# Altium PCB PokeyMain.PcbDoc (part 2 of 3)
Units mm, origin at the board's own origin, x right, y up, seen from the top; angles counter-clockwise.
Board outline 172.97 x 113.16 mm, 2 copper layers (Top Layer, Bottom Layer); 153 components, 194 nets, 688 pads, 309 vias.
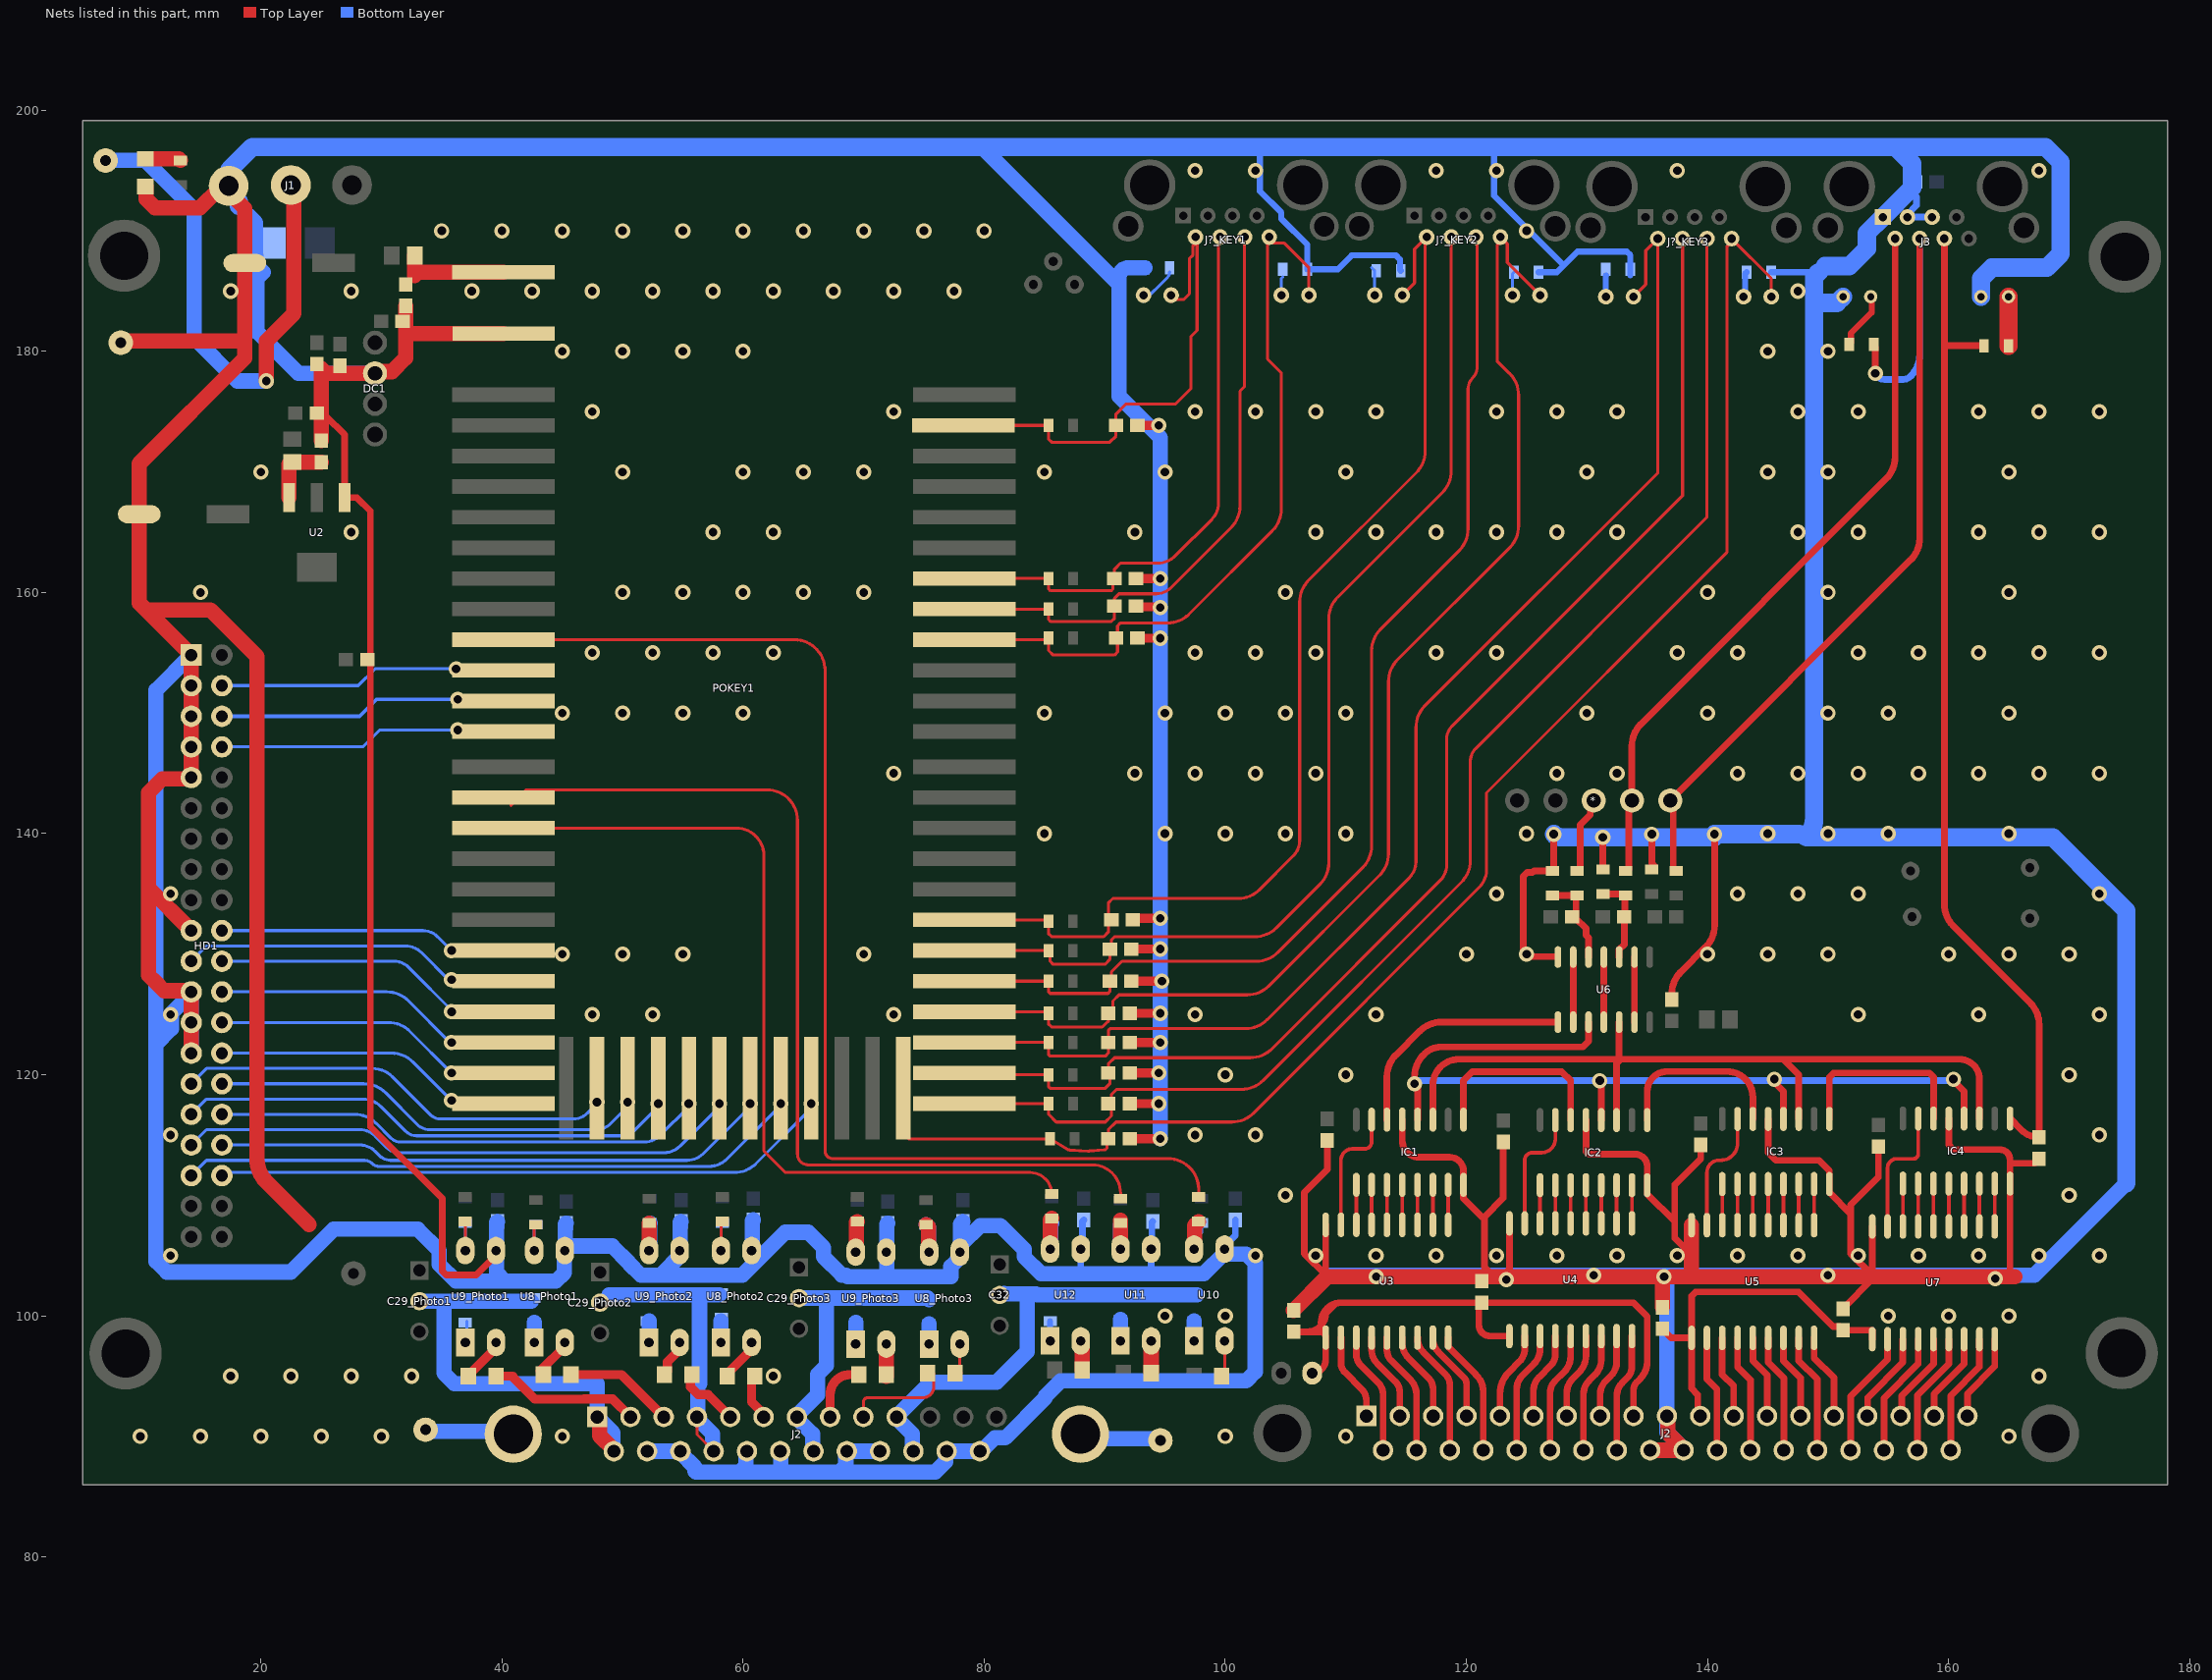
[diagram p2: the nets of this part, all layers, seen from the top]

## Via types
v1: diameter 1.27, hole 0.711, Top Layer to Bottom Layer, tented both sides, 309 vias

## Nets (pads, with @x,y where several pads share a name; then routed paths per layer and width w, separated by ;. In a path a pad name is that pad's centre, name@x,y a point inside that pad or via, vN(x,y) a via of type N, cw(c..) or ccw(c..) an arc to the next point about the centre after c; other vN are vias at no path point) (continued)
GND: C1.1 C2.1 C3.2 C4.1 C5.2 C6.1 C8.1 C9.1 C10.1 C14.1 C15.2 C16.1 C19.2 C20.1 C21.1 C22.1 C23.1 C24.1 C25_KEY1.1 C25_KEY2.1 C25_KEY3.1 C26_KEY1.1 C26_KEY2.1 C26_KEY3.1 C27_KEY1.1 C27_KEY2.1 C27_KEY3.1 C28_KEY1.1 C28_KEY2.1 C28_KEY3.1 C30_Photo1.1 C30_Photo2.1 C30_Photo3.1 C31_Photo1.1 C31_Photo2.1 C31_Photo3.1 C33.1 C34.1 C35.1 C170.1 C180.2 D1.1 DC1.2 HD1.1 HD1.3 HD1.5 HD1.7 HD1.9 HD1.19 HD1.23 HD1.25 HD1.27 IC1.8 IC1.13 IC2.8 IC2.13 IC3.8 IC3.13 IC4.8 IC4.13 J1.3 J2.10@136.635,91.694 J2.15@52.037,88.773 J2.16@54.798,88.773 J2.18@60.32,88.773 J2.19@63.081,88.773 J2.21@68.603,88.773 J2.22@71.364,88.773 J2.24@76.886,88.773 J2.25@79.647,88.773 J2.28 J2.29 J3.1 J3.3 J3.5 J3.L1- J3.L2- LED1.2 POKEY1.1 R5.2 R6.2 R7.2 R23_KEY1.2 R23_KEY2.2 R23_KEY3.2 R27_KEY1.1 R27_KEY2.1 R27_KEY3.1 TP0V.1 U2.1 U3.9 U4.9 U5.9 U6.7 U7.9 U8_Photo1.3 U8_Photo2.3 U8_Photo3.3 U9_Photo1.3 U9_Photo2.3 U9_Photo3.3 U10.3 U11.3 U12.3 | length 1376.7
  Top Layer w0.559: C8.1@25.019,174.625 25.4,174.625 26.938,173.087 U2.1@26.938,167.873 27.961,167.873 29.083,166.751 29.083,115.697 35.052,109.728 35.052,103.705 35.379,103.378 37.846,103.378 39.497,105.029 U9_Photo1.3@39.497,105.41 ; U3.9@108.331,107.545 108.331,103.378 ; 108.458,103.251 108.331,103.378 ; C21.1@108.458,114.554 108.458,112.141 106.553,110.236 106.553,105.156 108.331,103.378 ; IC1.13@114.681,116.271 114.681,114.554 ccw(c116.078,114.554) 116.078,113.157 118.618,113.157 cw(c118.618,112.014) 119.761,112.014 IC1.8@119.761,110.871 119.761,109.738 121.295,108.204 121.504,108.204 ; v1@122.936,103.251 123.571,103.886 U4.9@123.571,107.672 ; C22.1@123.063,114.427 123.063,109.763 121.504,108.204 ; v1(123.317,102.997) 123.215,103.099 122.453,103.099 121.504,104.048 121.504,108.204 ; v1@127.254,139.827 127.254,137.033 R7.2@127.127,136.906 125.603,136.906 125.476,136.779 125.041,136.779 124.714,136.452 124.714,130.429 125.349,129.794 127.591,129.794 127.595,129.79 U6.7@127.595,129.761 ; IC2.13@129.921,116.238 129.921,113.738 ccw(c130.248,113.738) 130.248,113.411 133.985,113.411 cw(c133.985,112.395) 135.001,112.395 IC2.8@135.001,110.838 135.001,110.122 137.287,107.836 ; R6.2@131.318,137.033 v1@131.318,139.446 ; R5.2@135.382,137.033 135.636,137.287 135.382,137.541 v1(135.382,139.954) ; C23.1@137.033,126.238 137.033,126.71 cw(c139.573,126.71) 137.777,128.506 139.845,130.574 ccw(c138.049,132.37) 140.589,132.37 v1@140.589,139.7 ; 138.684,105.029 137.287,106.426 137.287,107.836 ; C20.1@139.446,114.173 139.446,113.03 137.287,110.871 137.287,107.836 ; IC3.13@145.034,116.332 145.034,113.538 145.669,112.903 149.225,112.903 150.114,112.014 IC3.8@150.114,110.932 150.114,110.216 151.892,108.438 ; C16.1@151.257,100.584 151.257,100.634 153.67,103.047 153.67,103.251 153.67,103.378 ; U7.9@153.67,107.418 153.67,103.378 ; C24.1@154.178,114.046 154.178,111.506 151.892,109.22 151.892,108.438 ; IC4.13@160.02,116.365 160.02,114.173 160.401,113.792 164.265,113.792 cw(c164.265,112.957) 165.1,112.957 165.1,112.649 ; 165.481,103.251 165.1,103.632 IC4.8@165.1,110.965 165.1,112.649 ; C14.1@167.513,113.03 167.513,112.98 167.242,112.709 167.192,112.709 167.132,112.649 165.1,112.649 ; 151.892,108.438 151.892,105.156 153.67,103.378
  Top Layer w0.762: C28_KEY3.1@92.075,114.681 v1(94.615,114.681) ; C27_KEY3.1@92.075,117.602 v1(94.488,117.602) ; C26_KEY3.1@92.075,120.142 v1(94.488,120.142) ; C25_KEY3.1@92.075,122.682 v1(94.615,122.682) ; C28_KEY2.1@92.075,125.095 v1(94.615,125.095) ; C27_KEY2.1@92.202,127.762 v1(94.742,127.762) ; C26_KEY2.1@92.202,130.429 v1(94.615,130.429) ; C25_KEY2.1@92.329,132.842 92.456,132.969 v1(94.615,132.969) ; C27_KEY1.1@92.583,158.877 92.647,158.814 94.551,158.814 v1(94.615,158.75) ; C26_KEY1.1@92.583,161.163 v1(94.615,161.163) ; C28_KEY1.1@92.71,156.21 v1(94.615,156.21) ; C25_KEY1.1@92.71,173.863 v1(94.488,173.863)
  Top Layer w1.27: TP0V.1@8.382,180.721 8.509,180.848 18.669,180.848 ; LED1.2@10.414,193.675 10.477,193.675 10.477,192.641 11.221,191.897 14.944,191.897 16.595,193.548 17.145,193.548 J1.3@17.332,193.735 17.332,193.186 18.669,191.849 C3.2@18.669,187.325 18.669,180.848 ; HD1.27@14.224,121.793 HD1.25@14.224,124.333 HD1.23@14.224,126.873 14.127,126.97 11.968,126.97 11.304,127.634 10.668,128.27 10.668,135.509 ; HD1.19@14.224,131.953 10.668,135.509 ; 24.003,107.569 20.429,111.143 cw(c22.225,112.939) 19.685,112.939 19.685,154.686 15.811,158.56 10.478,158.56 ; C10.1@25.019,172.593 25.019,174.625 25.019,178.562 25.4,178.181 DC1.2@29.464,178.181 29.604,178.321 30.874,178.321 32.004,179.451 32.004,181.483 ; C2.1@32.004,183.769 32.004,181.483 ; POKEY1.1@40.135,181.483 32.004,181.483 ; U8_Photo1.3@45.212,105.41 U8_Photo1.3@45.261,105.459 ; U9_Photo2.3@54.737,105.41 U9_Photo2.3@54.786,105.459 ; C180.2@105.664,100.457 108.458,103.251 v1(112.522,103.251) 122.936,103.251 v1(136.398,103.251) ; J2.28@135.25,88.854 J2.29@138.02,88.854 138.02,88.968 136.715,90.272 136.715,91.5 136.635,91.58 J2.10@136.635,91.694 ; C170.1@136.271,100.711 136.271,102.507 ; v1@137.015,103.251 138.811,103.251 ; U5.9@138.684,107.521 138.684,105.029 138.684,103.378 138.811,103.251 ; 165.481,103.251 153.67,103.251 138.811,103.251 ; 10.478,158.56 13.97,155.067 HD1.1@14.224,154.813 HD1.9@14.224,144.653 14.127,144.556 11.841,144.556 10.668,143.383 10.668,135.509 ; 10.478,158.56 9.906,159.131 C5.2@9.906,166.497 9.906,170.688 18.669,179.451 18.669,180.848
  Bottom Layer w0.508: 102.87,196.953 102.87,193.294 104.646,191.518 104.646,191.01 106.807,188.849 R27_KEY1.1@106.807,186.817 109.347,186.817 110.49,187.96 114.173,187.96 114.493,187.64 114.493,186.751 R23_KEY2.2@114.554,186.69 ; 122.301,196.953 122.301,192.913 128.079,187.135 ; R27_KEY2.1@125.984,186.563 127.508,186.563 128.079,187.135 ; R23_KEY3.2@133.604,186.309 133.604,187.98 133.306,188.278 129.223,188.278 128.079,187.135 ; R27_KEY3.1@145.288,186.563 149.229,186.563 149.737,187.071
  Bottom Layer w0.559: 88.011,103.505 U12.3@88.011,105.537 88.138,105.664 88.138,107.823 C35.1@88.265,107.95 ; C34.1@93.98,107.823 93.916,107.759 93.916,105.6 U11.3@93.853,105.537 93.853,103.759 94.107,103.505 ; U10.3@99.949,105.537 99.949,105.802 100.838,106.691 C33.1@100.838,107.95 ; 157.353,192.827 157.353,192.106 156.587,191.34 J3.3@156.587,191.137 J3.5@158.627,191.137
  Bottom Layer w1.27: HD1.27@14.224,121.793 HD1.25@14.224,124.333 HD1.23@14.224,126.736 ; HD1.23@14.224,126.873 HD1.23@14.224,126.736 ; HD1.1@14.224,154.813 11.303,151.892 11.303,122.555 ; 18.16,192.075 19.558,190.677 19.558,187.972 19.578,187.952 19.578,187.178 20.193,186.563 19.685,186.055 19.685,181.61 23.114,178.181 DC1.2@29.464,178.181 ; C31_Photo1.1@39.624,107.823 39.546,107.745 39.546,105.459 U9_Photo1.3@39.497,105.41 39.546,105.361 39.546,103.583 40.259,102.87 ; C30_Photo1.1@45.339,107.696 45.261,107.618 U8_Photo1.3@45.261,105.771 ; J2.15@52.037,88.773 J2.16@54.798,88.773 54.798,88.659 56.007,87.45 56.007,87.122 56.09,87.039 59.734,87.039 ; C31_Photo2.1@54.864,107.823 54.786,107.745 54.786,105.459 U9_Photo2.3@54.737,105.41 54.737,104.96 53.34,103.563 53.34,103.505 53.213,103.378 ; J2.18@60.32,88.773 60.239,88.693 60.239,87.544 59.734,87.039 ; U8_Photo2.3@60.706,105.41 60.755,105.459 60.755,107.872 C30_Photo2.1@60.833,107.95 ; J2.19@63.081,88.773 63.119,88.735 63.119,87.039 ; J2.22@71.364,88.773 J2.21@68.603,88.773 68.523,88.693 68.523,87.573 67.989,87.039 ; C31_Photo3.1@72.009,107.696 71.931,107.618 71.931,105.332 U9_Photo3.3@71.882,105.283 71.931,105.234 71.931,103.583 72.263,103.251 ; U8_Photo3.3@78.027,105.781 78.027,107.618 C30_Photo3.1@78.232,107.823 ; 79.798,196.953 90.904,185.847 91.186,185.565 ; R23_KEY1.2@93.345,186.944 92.001,186.944 ccw(c92.001,186.129) 91.186,186.129 91.186,185.565 ; v1(94.615,114.681) 94.615,117.602 94.615,120.142 v1(94.615,122.682) v1(94.615,125.095) 94.615,127.762 v1(94.615,130.429) v1(94.615,132.969) 94.615,140 94.615,150 v1(94.615,156.21) v1(94.615,158.75) v1(94.615,161.163) 94.615,170 94.615,172.847 94.043,173.418 91.186,176.276 91.186,185.565 ; U10.3@99.949,105.537 U10.3@99.949,105.225 ; 108.712,103.378 112.522,103.378 123.317,103.378 v1(130.556,103.378) 136.398,103.378 v1(149.987,103.378) 163.883,103.378 167.132,103.378 174.752,110.998 ; J2.28@135.25,88.854 J2.29@138.02,88.854 138.02,88.968 136.635,90.353 J2.10@136.635,91.694 136.635,103.014 v1(136.398,103.251) ; 11.303,122.555 11.303,104.521 12.192,103.632 22.479,103.632 26.035,107.188 33.02,107.188 34.798,105.41 34.798,104.257 36.166,102.889 39.092,102.889 39.111,102.87 40.259,102.87 ; 11.303,122.555 12.573,123.825 12.573,125.085 HD1.23@14.224,126.736 ; 40.259,102.87 44.468,102.87 45.163,103.565 45.163,105.361 U8_Photo1.3@45.212,105.41 45.261,105.459 U8_Photo1.3@45.261,105.771 ; U8_Photo1.3@45.261,105.771 45.281,105.791 49.149,105.791 50.546,104.394 50.546,104.345 51.513,103.378 53.213,103.378 ; 53.213,103.378 59.944,103.378 63.5,106.934 65.405,106.934 66.675,105.664 66.675,104.902 68.199,103.378 68.531,103.378 68.658,103.251 72.263,103.251 ; 59.734,87.039 63.119,87.039 ; 63.119,87.039 67.989,87.039 ; 67.989,87.039 75.932,87.039 76.806,87.913 76.806,88.693 J2.24@76.886,88.773 J2.25@79.647,88.773 79.76,88.773 80.867,89.879 81.746,89.879 85.09,93.223 85.09,93.345 86.36,94.615 101.745,94.615 102.489,95.359 102.489,104.363 101.745,105.107 100.066,105.107 U10.3@99.949,105.225 ; 72.263,103.251 77.234,103.251 77.234,104.089 77.978,104.833 77.978,105.733 78.105,105.86 78.105,105.918 79.674,107.487 81.345,107.487 83.31,105.522 83.31,104.904 84.709,103.505 88.011,103.505 94.107,103.505 98.229,103.505 U10.3@99.949,105.225
  Bottom Layer w1.524: 18.16,192.075 18.16,192.426 17.332,193.254 J1.3@17.332,193.735 17.399,193.802 17.399,195.068 19.284,196.953 79.798,196.953 102.87,196.953 122.301,196.953 155.599,196.953 ; v1(127.254,139.954) ccw(c127.867,140.567) 127.867,139.7 v1(131.318,139.7) 135.382,139.7 v1@140.589,139.7 ; v1(140.589,139.954) 145,139.954 147.596,139.954 cw(c147.596,139.087) 148.209,139.7 ; 149.229,186.563 148.844,186.178 148.844,184.023 ; 149.737,187.071 151.765,187.071 153.221,188.527 153.221,189.811 J3.1@154.547,191.137 C15.2@156.972,193.562 ; J3.L1-@151.257,184.537 150.743,184.023 148.844,184.023 ; C15.2@156.972,193.929 156.972,195.58 155.599,196.953 ; J3.L2-@162.687,184.537 162.687,186.051 163.58,186.944 168.148,186.944 169.291,188.087 169.291,195.707 168.045,196.953 155.599,196.953 ; 174.752,110.998 174.752,120 174.752,133.604 172.928,135.428 168.656,139.7 165,139.7 155,139.7 150,139.7 148.209,139.7 ; 148.209,139.7 ccw(c146.676,141.233) 148.844,141.233 148.844,184.023
  other v1: 10,90 15,90 20,90 25,90 30,90 45,90 100,90 110,90 165,90 17.5,95 22.5,95 27.5,95 32.5,95 62.5,95 167.5,95 95,100 100,100 155,100 160,100 165,100 163.883,103.086 12.5,105 102.5,105 107.5,105 112.5,105 117.5,105 122.5,105 127.5,105 132.5,105 137.5,105 142.5,105 147.5,105 152.5,105 157.5,105 162.5,105 167.5,105 172.5,105 105,110 170,110 12.5,115 97.5,115 102.5,115 172.5,115 100,120 110,120 170,120 12.5,125 47.5,125 52.5,125 72.5,125 97.5,125 112.5,125 152.5,125 162.5,125 172.5,125 45,130 50,130 55,130 70,130 120,130 125,130 140,130 145,130 150,130 160,130 165,130 170,130 12.5,135 122.5,135 142.5,135 147.5,135 152.5,135 172.5,135 85,140 95,140 100,140 105,140 110,140 125,140 145,140 150,140 155,140 165,140 72.5,145 92.5,145 97.5,145 102.5,145 107.5,145 127.5,145 132.5,145 142.5,145 147.5,145 152.5,145 157.5,145 162.5,145 167.5,145 172.5,145 45,150 50,150 55,150 60,150 85,150 95,150 100,150 105,150 110,150 130,150 140,150 150,150 155,150 165,150 47.5,155 52.5,155 57.5,155 62.5,155 97.5,155 102.5,155 107.5,155 117.5,155 122.5,155 137.5,155 142.5,155 152.5,155 157.5,155 162.5,155 167.5,155 172.5,155 15,160 50,160 55,160 60,160 65,160 70,160 105,160 140,160 150,160 165,160 27.5,165 57.5,165 62.5,165 92.5,165 107.5,165 112.5,165 117.5,165 122.5,165 127.5,165 132.5,165 147.5,165 152.5,165 162.5,165 167.5,165 172.5,165 20,170 50,170 60,170 65,170 70,170 85,170 95,170 110,170 130,170 145,170 150,170 165,170 47.5,175 72.5,175 97.5,175 102.5,175 107.5,175 112.5,175 122.5,175 127.5,175 132.5,175 147.5,175 152.5,175 162.5,175 167.5,175 172.5,175 45,180 50,180 55,180 60,180 145,180 150,180 17.5,185 27.5,185 37.5,185 42.5,185 47.5,185 52.5,185 57.5,185 62.5,185 67.5,185 72.5,185 77.5,185 147.5,185 35,190 40,190 45,190 50,190 55,190 60,190 65,190 70,190 75,190 80,190 125,190 97.5,195 102.5,195 117.5,195 122.5,195 137.5,195 167.5,195
INA1: J2.3@53.417,91.613 LED2_Photo1.2 | length 9.2
  Top Layer w0.762: LED2_Photo1.2@45.72,95.123 49.907,95.123 J2.3@53.417,91.613
INA2: J2.6@61.7,91.613 LED2_Photo2.2 | length 3.9
  Top Layer w0.254: J2.6@61.584,91.729 J2.6@61.7,91.613
  Top Layer w0.762: LED2_Photo2.2@60.706,95.123 60.706,92.859 61.584,91.98 J2.6@61.584,91.729
INA3: J2.9@69.983,91.613 LED2_Photo3.2 | length 8.9
  Top Layer w0.254: J2.9@69.983,91.613 69.977,91.619 69.977,92.837 cw(c70.358,92.837) 70.358,93.218 74.93,93.218 ccw(c74.93,94.107) 75.24,93.274 ccw(c74.93,94.107) 75.763,93.797 ccw(c74.93,94.107) 75.819,94.107 LED2_Photo3.2@75.819,95.25
INB1: J2.2@50.656,91.613 LED3_Photo1.2 | length 12.6
  Top Layer w0.762: LED3_Photo1.2@39.497,94.996 40.894,94.996 40.894,94.923 42.726,93.091 46.785,93.091 46.787,93.093 49.176,93.093 J2.2@50.656,91.613
INB2: J2.5@58.939,91.613 LED3_Photo2.2 | length 5.5
  Top Layer w0.254: LED3_Photo2.2@55.753,95.123 LED3_Photo2.2@55.753,95.186
  Top Layer w0.762: LED3_Photo2.2@55.753,95.123 55.626,94.996 55.626,94.107 56.267,93.466 57.086,93.466 J2.5@58.939,91.613
INB3: J2.8@67.222,91.613 LED3_Photo3.2 | length 5.2
  Top Layer w0.762: J2.8@67.222,91.613 67.222,93.472 cw(c68.873,93.472) 67.917,94.818 cw(c68.873,93.472) 68.873,95.123 LED3_Photo3.2@69.596,95.123
KEY4_LATCH: *.4 J3.2 R3.2 | length 61.6
  Top Layer w0.559: R3.2@133.223,136.906 133.356,136.906 133.477,137.027 133.477,142.494 *.4@133.731,142.748 133.731,147.284 cw(c136.271,147.284) 134.475,149.08 154.823,169.428 ccw(c153.027,171.224) 155.567,171.224 J3.2@155.567,189.357
KEY4_MOSI: C14.2 IC4.9 J3.6 R19.1 | length 83.9
  Top Layer w0.559: J3.6@159.647,189.357 159.647,180.594 ; R19.1@162.941,180.467 159.774,180.467 159.647,180.594 ; IC4.9@165.1,116.365 166.052,115.413 ccw(c167.513,116.875) C14.2@167.513,114.808 167.513,124.17 ccw(c164.973,124.17) 166.769,125.966 160.391,132.344 cw(c162.187,134.14) 159.647,134.14 159.647,180.594
KEY4_SCK: *.5 J3.4 R2.2 R15.2 | length 78.7
  Top Layer w0.559: R2.2@137.414,136.906 137.281,136.906 137.16,137.027 137.16,142.494 *.5@136.906,142.748 156.863,162.705 ccw(c155.067,164.501) 157.607,164.501 J3.4@157.607,189.357 ; R15.2@153.797,180.594 cw(c153.49,180.287) 153.924,180.287 v1(153.924,178.181)
  Bottom Layer w0.559: v1(153.924,178.181) 153.797,178.181 154.036,177.942 ccw(c154.686,178.593) 154.686,177.673 156.232,177.673 ccw(c156.232,178.54) 156.845,177.927 156.863,177.945 ccw(c155.067,179.741) 157.607,179.741 J3.4@157.607,189.357
KEY11: C25_KEY1.2 J?_KEY1.2 J?_KEY1.L1+ POKEY1.60 R8_KEY1.2 | length 42.2
  Top Layer w0.254: POKEY1.60@78.282,173.863 85.217,173.863 R8_KEY1.2@85.281,173.927 ; R8_KEY1.2@85.344,173.863 85.344,172.72 85.598,172.466 90.424,172.466 90.932,172.974 C25_KEY1.2@90.932,173.863 90.932,174.794 91.779,175.641 95.885,175.641 97.155,176.911 97.155,181.229 97.663,181.737 97.663,188.839 ; J?_KEY1.L1+@95.506,184.156 95.644,184.294 96.537,184.294 97.028,184.785 97.028,187.706 97.326,188.004 97.326,188.776 97.526,188.976 97.663,188.839 ; J?_KEY1.2@97.529,189.483 97.663,189.349 97.663,188.839
KEY12: C25_KEY2.2 J?_KEY2.2 J?_KEY2.L1+ POKEY1.44 R8_KEY2.2 | length 93.6
  Top Layer w0.254: POKEY1.44@78.362,132.842 85.203,132.842 R8_KEY2.2@85.33,132.715 85.33,131.713 85.598,131.445 89.916,131.445 90.297,131.826 90.297,132.842 90.297,134.239 90.678,134.62 101.092,134.62 ccw(c101.092,137.073) 102.826,135.338 105.664,138.176 ccw(c104.438,139.402) 106.172,139.402 106.172,159.211 cw(c108.712,159.211) 106.916,161.007 115.842,169.933 ccw(c114.046,171.729) 116.586,171.729 J?_KEY2.2@116.586,189.365 ; J?_KEY2.L1+@114.685,184.664 115.699,185.678 115.699,188.478 116.588,189.367 116.588,189.369 J?_KEY2.2@116.705,189.486
KEY13: C25_KEY3.2 J?_KEY3.2 J?_KEY3.L1+ POKEY1.40 R8_KEY3.2 | length 112.2
  Top Layer w0.254: POKEY1.40@78.362,122.682 R8_KEY3.2@85.33,122.682 85.33,121.688 85.479,121.539 90.043,121.539 90.297,121.793 C25_KEY3.2@90.297,122.682 90.297,123.676 90.446,123.825 101.691,123.825 ccw(c101.691,126.365) 103.487,124.569 115.285,136.367 ccw(c113.984,137.668) 115.824,137.668 115.824,148.808 cw(c118.364,148.808) 116.568,150.604 135.89,169.926 135.89,189.357 J?_KEY3.2@135.88,189.357 ; J?_KEY3.L1+@133.86,184.537 134.876,185.553 134.876,188.353 J?_KEY3.2@135.88,189.357 ; J?_KEY3.2@135.878,189.355 J?_KEY3.2@135.88,189.357 ; J?_KEY3.2@135.944,189.29 J?_KEY3.2@136.005,189.351
KEY21: C26_KEY1.2 J?_KEY1.4 POKEY1.55 R9_KEY1.2 | length 48.3
  Top Layer w0.254: POKEY1.55@78.362,161.163 R9_KEY1.2@85.344,161.163 85.344,160.296 85.493,160.147 90.551,160.147 90.678,160.274 90.678,161.036 C26_KEY1.2@90.805,161.163 90.805,161.925 91.313,162.433 94.361,162.433 ccw(c94.361,164.579) 95.878,163.061 ; 95.879,163.062 98.87,166.052 ccw(c97.49,167.432) 99.441,167.432 99.441,189.355 J?_KEY1.4@99.569,189.483
KEY22: C26_KEY2.2 J?_KEY2.4 POKEY1.43 R9_KEY2.2 | length 91.8
  Top Layer w0.254: POKEY1.43@78.362,130.302 R9_KEY2.2@85.33,130.302 85.471,130.161 85.471,129.413 85.725,129.159 90.021,129.159 90.424,129.562 C26_KEY2.2@90.424,130.429 90.551,130.556 90.551,131.191 90.805,131.445 102.453,131.445 ccw(c102.453,133.985) 104.249,132.189 107.841,135.781 ccw(c106.045,137.577) 108.585,137.577 108.585,157.825 cw(c111.125,157.825) 109.329,159.621 117.999,168.291 ccw(c116.203,170.087) 118.743,170.087 J?_KEY2.4@118.743,189.484
KEY23: C26_KEY3.2 J?_KEY3.4 POKEY1.39 R9_KEY3.2 | length 110.1
  Top Layer w0.254: POKEY1.39@78.362,120.142 78.511,119.993 R9_KEY3.2@85.33,119.993 85.33,119.021 85.479,118.872 90.043,118.872 90.424,119.253 C26_KEY3.2@90.424,120.142 ; C26_KEY3.2@90.297,120.142 90.297,120.904 90.805,121.412 102.072,121.412 ccw(c102.072,123.952) 103.868,122.156 117.825,136.113 ccw(c116.524,137.414) 118.364,137.414 118.364,147.834 cw(c119.882,147.834) 118.808,148.907 ; 118.808,148.907 137.93,168.029 J?_KEY3.4@137.93,189.357
KEY31: C27_KEY1.2 J?_KEY1.6 POKEY1.54 R10_KEY1.2 | length 51.6
  Top Layer w0.254: POKEY1.54@78.362,158.623 R10_KEY1.2@85.344,158.623 85.344,157.756 85.493,157.607 90.551,157.607 90.805,157.861 C27_KEY1.2@90.805,158.877 90.805,159.512 91.186,159.893 94.278,159.893 ccw(c94.278,161.627) 95.504,160.401 100.475,165.372 ccw(c98.679,167.168) 101.219,167.168 101.219,176.697 101.592,177.07 101.592,189.466 J?_KEY1.6@101.609,189.483
KEY32: C27_KEY2.2 J?_KEY2.6 POKEY1.42 R10_KEY2.2 | length 94.9
  Top Layer w0.254: POKEY1.42@78.362,127.762 R10_KEY2.2@85.33,127.762 85.33,126.895 85.479,126.746 90.275,126.746 90.424,126.895 C27_KEY2.2@90.424,127.762 90.551,127.889 90.551,128.524 91.44,129.413 102.58,129.413 ccw(c102.58,131.953) 104.376,130.157 111.397,137.178 ccw(c109.601,138.974) 112.141,138.974 112.141,155.158 cw(c114.681,155.158) 112.885,156.954 119.398,163.467 ccw(c117.602,165.263) 120.142,165.263 120.142,176.88 cw(c121.443,176.88) 120.523,177.8 ccw(c119.603,178.72) 120.904,178.72 120.904,189.363 J?_KEY2.6@120.783,189.484
KEY33: C27_KEY3.2 J?_KEY3.6 POKEY1.38 R10_KEY3.2 | length 113.2
  Top Layer w0.254: POKEY1.38@78.362,117.602 R10_KEY3.2@85.344,117.602 85.344,116.713 85.979,116.078 90.043,116.078 90.551,116.586 90.551,117.602 90.551,118.364 90.974,118.787 101.352,118.787 ccw(c101.352,121.327) 103.148,119.531 119.589,135.972 ccw(c117.792,137.768) 120.332,137.768 120.332,145.993 cw(c121.85,145.993) 120.777,147.066 139.954,166.243 139.954,189.341 J?_KEY3.6@139.97,189.357
KEY41: C28_KEY1.2 J?_KEY1.8 J?_KEY1.L2+ POKEY1.53 R11_KEY1.2 | length 64.3
  Top Layer w0.254: POKEY1.53@78.362,156.083 85.217,156.083 R11_KEY1.2@85.344,156.21 85.344,155.194 85.725,154.813 90.805,154.813 91.059,155.067 91.059,156.083 C28_KEY1.2@90.932,156.21 91.059,156.337 91.059,157.226 91.313,157.48 95.25,157.48 ccw(c95.25,159.933) 96.984,158.198 103.904,165.118 ccw(c102.108,166.914) 104.648,166.914 104.648,178.228 103.505,179.371 103.505,189.339 J?_KEY1.8@103.649,189.483 ; J?_KEY1.8@103.649,188.976 104.902,188.976 106.936,186.942 J?_KEY1.L2+@106.936,184.156